# KiCad board FlightComputer.kicad_pcb (continued)
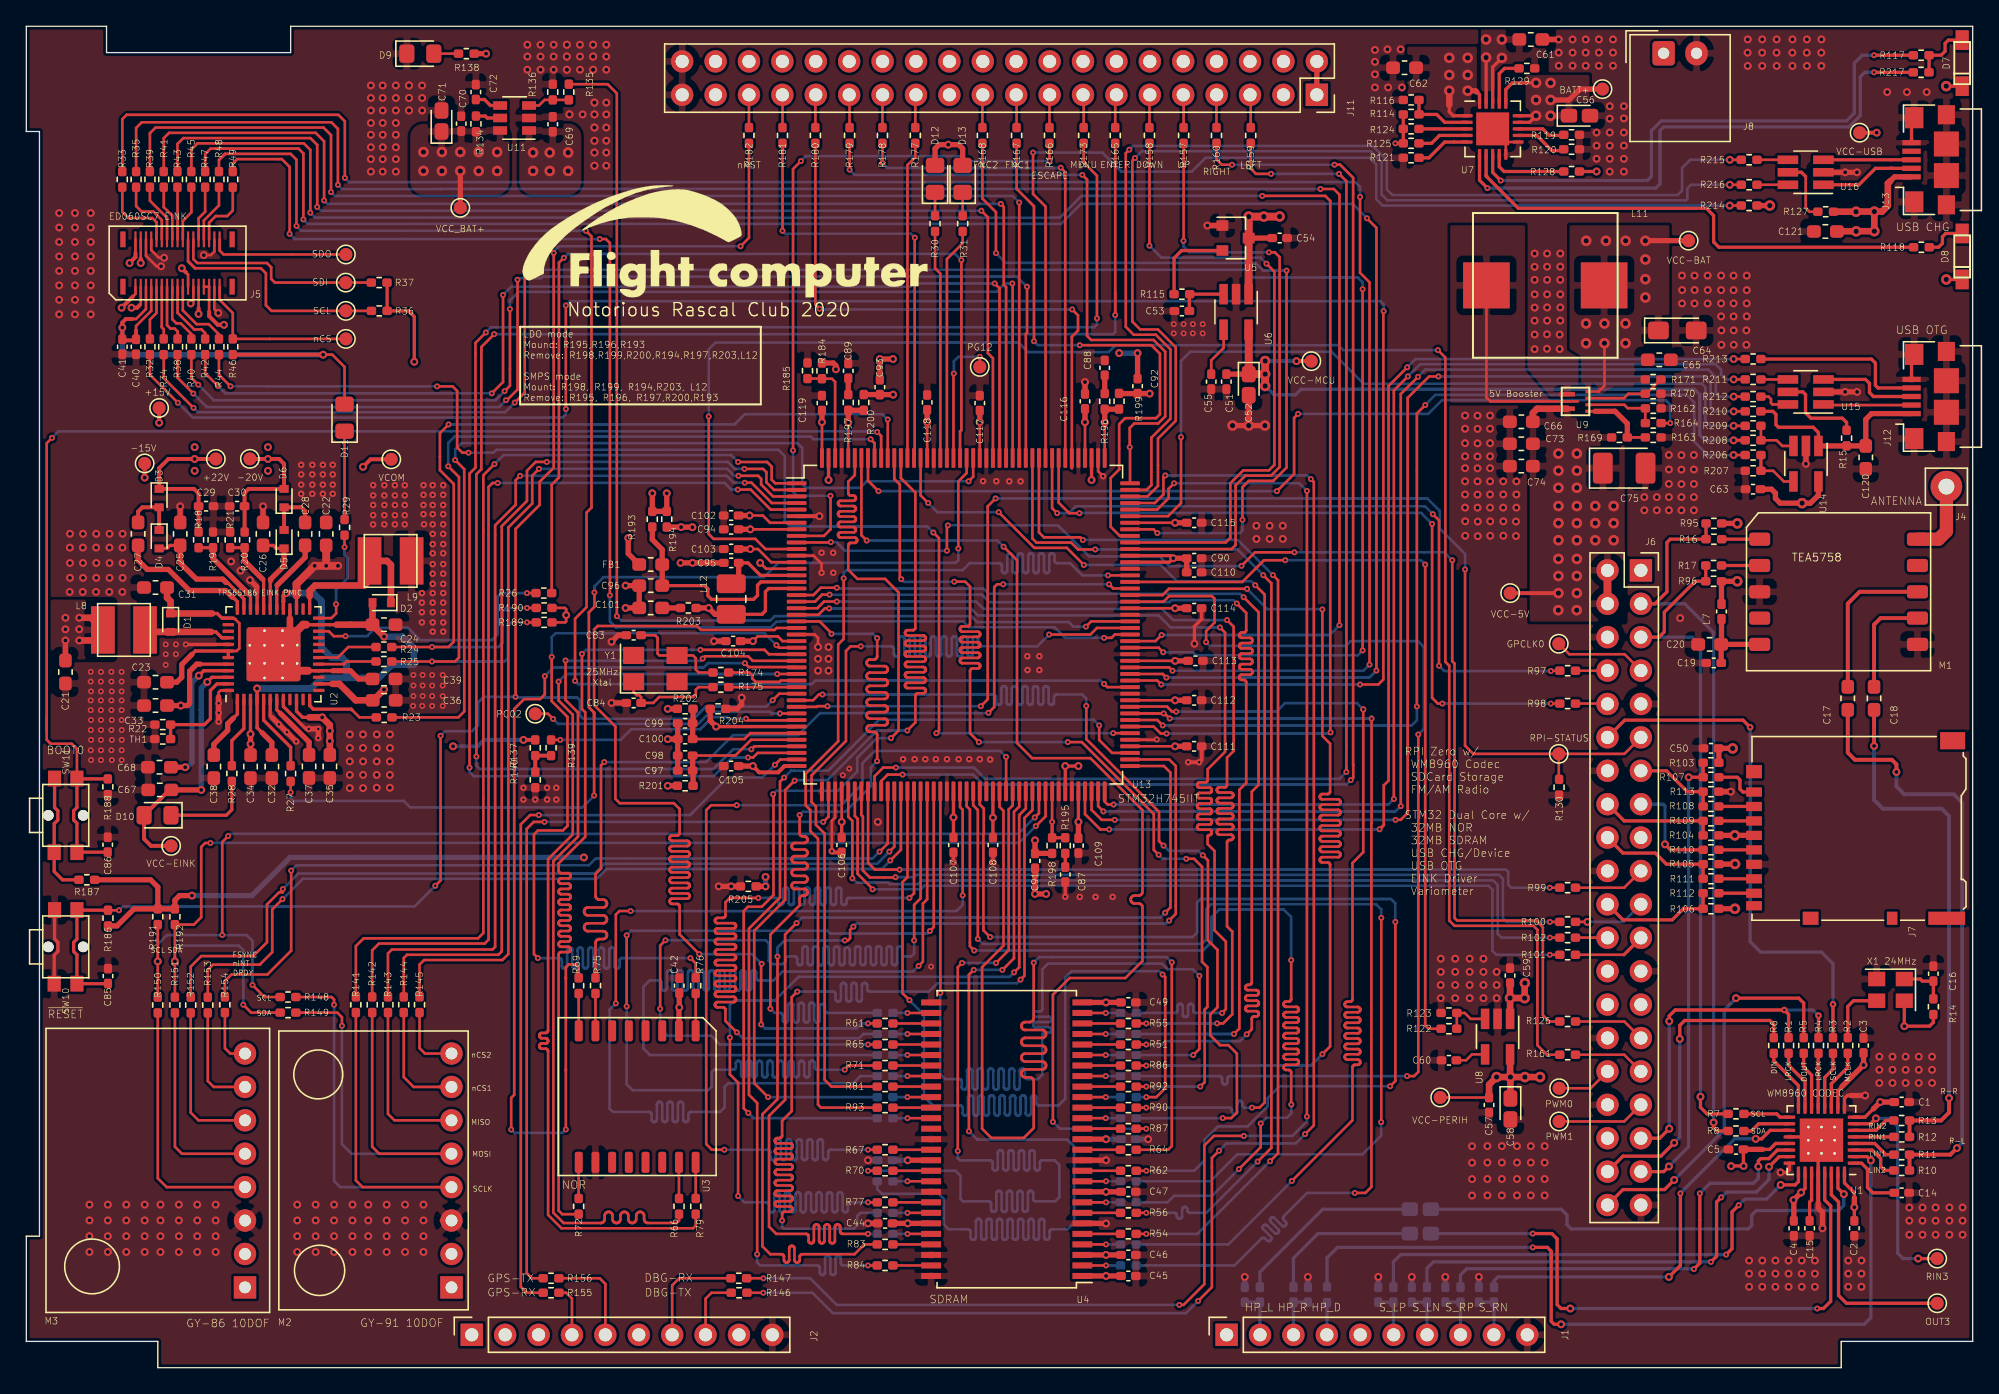
[diagram p0: board, top side]
## Routing (per net, layer and track width the routed paths; a pad name or vN(x,y) marks a point on that pad's centre or on a via; arc(x,y) is an arc through that point) (continued)
/MCU/FMC_D0: length 82.2
  Top w0.2: v1(101.02,13.29) 101.82,13.29 102.27,13.74 102.27,41.41 102.29,41.43 v1(102.29,49.36) ; v1(86.48,49.75) U13.97 86.56,49.75 v1(86.94,49.37)
  Bottom w0.2: R50.1 91.88,7.78 93.92,9.82 93.96,9.85 94,9.87 94.04,9.88 94.08,9.88 94.13,9.87 94.17,9.85 94.2,9.82 94.34,9.68 94.38,9.65 94.42,9.64 94.46,9.63 94.5,9.63 94.55,9.64 94.59,9.65 94.62,9.68 94.65,9.72 94.67,9.76 94.68,9.8 94.68,9.85 94.67,9.89 94.65,9.93 94.62,9.97 94.07,10.52 94.04,10.56 94.02,10.6 94.01,10.64 94.01,10.69 94.02,10.73 94.04,10.77 94.07,10.81 94.1,10.83 94.14,10.85 94.18,10.86 94.23,10.86 94.27,10.85 94.31,10.83 94.35,10.81 94.91,10.25 94.94,10.22 94.98,10.2 95.02,10.19 95.07,10.19 95.11,10.2 95.15,10.22 95.19,10.25 95.22,10.28 95.24,10.32 95.25,10.37 95.25,10.41 95.24,10.46 95.22,10.5 95.19,10.53 94.63,11.09 94.6,11.12 94.58,11.16 94.57,11.21 94.57,11.25 94.58,11.3 94.6,11.34 94.63,11.37 94.67,11.4 94.71,11.42 94.75,11.43 94.8,11.43 94.84,11.42 94.88,11.4 94.91,11.37 95.47,10.81 95.51,10.79 95.55,10.77 95.59,10.76 95.64,10.76 95.68,10.77 95.72,10.79 95.75,10.81 95.78,10.85 95.8,10.89 95.81,10.93 95.81,10.98 95.8,11.02 95.78,11.06 95.75,11.1 95.62,11.23 95.59,11.27 95.57,11.31 95.56,11.35 95.56,11.4 95.57,11.44 95.59,11.48 95.62,11.52 97.39,13.29 v1(101.02,13.29) ; v1(86.94,49.37) 102.28,49.37 v1(102.29,49.36) ; v1(86.48,49.75) 86.68,49.55
/MCU/FMC_D1: length 82.2
  Top w0.2: v1(96.22,14.2) 100.84,18.81 100.84,22.83 100.85,22.87 100.86,22.92 100.88,22.95 100.92,22.99 100.95,23.01 101,23.02 101.04,23.03 101.23,23.03 101.28,23.04 101.32,23.05 101.36,23.07 101.39,23.11 101.41,23.14 101.43,23.19 101.43,23.23 101.43,23.27 101.41,23.32 101.39,23.35 101.36,23.39 101.32,23.41 101.28,23.42 101.23,23.43 100.45,23.43 100.4,23.44 100.36,23.45 100.32,23.47 100.29,23.51 100.27,23.54 100.25,23.59 100.25,23.63 100.25,23.67 100.27,23.72 100.29,23.75 100.32,23.79 100.36,23.81 100.4,23.82 100.45,23.83 101.23,23.83 101.28,23.84 101.32,23.85 101.36,23.87 101.39,23.91 101.41,23.94 101.43,23.99 101.43,24.03 101.43,24.07 101.41,24.12 101.39,24.15 101.36,24.19 101.32,24.21 101.28,24.22 101.23,24.23 100.45,24.23 100.4,24.24 100.36,24.25 100.32,24.27 100.29,24.31 100.27,24.34 100.25,24.39 100.25,24.43 100.25,24.47 100.27,24.52 100.29,24.55 100.32,24.59 100.36,24.61 100.4,24.62 100.45,24.63 101.23,24.63 101.28,24.64 101.32,24.65 101.36,24.67 101.39,24.71 101.41,24.74 101.43,24.79 101.43,24.83 101.43,24.87 101.41,24.92 101.39,24.95 101.36,24.99 101.32,25.01 101.28,25.02 101.23,25.03 100.45,25.03 100.4,25.04 100.36,25.05 100.32,25.07 100.29,25.11 100.27,25.14 100.25,25.19 100.25,25.23 100.25,25.27 100.27,25.32 100.29,25.35 100.32,25.39 100.36,25.41 100.4,25.42 100.45,25.43 101.23,25.43 101.28,25.44 101.32,25.45 101.36,25.47 101.39,25.51 101.41,25.54 101.43,25.59 101.43,25.63 101.43,25.67 101.41,25.72 101.39,25.75 101.36,25.79 101.32,25.81 101.28,25.82 101.23,25.83 100.45,25.83 100.4,25.84 100.36,25.85 100.32,25.87 100.29,25.91 100.27,25.94 100.25,25.99 100.25,26.03 100.25,26.07 100.27,26.12 100.29,26.15 100.32,26.19 100.36,26.21 100.4,26.22 100.45,26.23 101.23,26.23 101.28,26.24 101.32,26.25 101.36,26.27 101.39,26.31 101.41,26.34 101.43,26.39 101.43,26.43 101.43,26.47 101.41,26.52 101.39,26.55 101.36,26.59 101.32,26.61 101.28,26.62 101.23,26.63 100.45,26.63 100.4,26.64 100.36,26.65 100.32,26.67 100.29,26.71 100.27,26.74 100.25,26.79 100.25,26.83 100.25,26.87 100.27,26.92 100.29,26.95 100.32,26.99 100.36,27.01 100.4,27.02 100.45,27.03 101.23,27.03 101.28,27.04 101.32,27.05 101.36,27.07 101.39,27.11 101.41,27.14 101.43,27.19 101.43,27.23 101.43,27.27 101.41,27.32 101.39,27.35 101.36,27.39 101.32,27.41 101.28,27.42 101.23,27.43 100.45,27.43 100.4,27.44 100.36,27.45 100.32,27.47 100.29,27.51 100.27,27.54 100.25,27.59 100.25,27.63 100.25,27.67 100.27,27.72 100.29,27.75 100.32,27.79 100.36,27.81 100.4,27.82 100.45,27.83 100.64,27.83 100.68,27.84 100.73,27.85 100.76,27.87 100.8,27.91 100.82,27.94 100.83,27.99 100.84,28.03 100.84,38.38 101.66,39.2 v1(101.66,50.06) ; v1(87.43,49.89) 87.12,49.89 86.74,50.28 83.95,50.28 U13.98
  Bottom w0.2: v1(101.66,50.06) 101.19,50.53 95.7,50.53 95.06,49.89 v1(87.43,49.89) ; v1(96.22,14.2) 91.4,9.38 R52.1
/MCU/FMC_D2: length 82.2
  Top w0.2: v1(94.58,15.7) 95.18,16.31 95.18,59.88 v1(94.8,60.27) ; R54.1 v1(85.16,10.17) ; v1(80.34,62.94) 80.14,63.14 77.38,63.14 77,63.52 U13.143
  Bottom w0.2: v1(94.8,60.27) 92.12,62.94 v1(80.34,62.94) ; v1(94.58,15.7) 89.05,10.17 v1(85.16,10.17)
/MCU/FMC_D3: length 82.2
  Top w0.2: v1(81.28,62.22) 79.97,62.22 79.45,62.74 76.82,62.74 76.5,63.06 U13.144 ; R56.1 v1(85.16,11.78) ; v1(94.06,60.26) 94.67,59.65 94.67,16.72 v1(93.62,15.67)
  Bottom w0.2: v1(81.28,62.22) 92.1,62.22 v1(94.06,60.26) ; v1(85.16,11.78) 87.28,11.78 87.33,11.77 87.37,11.76 87.41,11.73 87.44,11.7 87.47,11.66 87.48,11.62 87.48,11.58 87.48,11.52 87.49,11.48 87.5,11.44 87.53,11.4 87.56,11.37 87.6,11.34 87.64,11.33 87.69,11.32 87.73,11.33 87.77,11.34 87.81,11.37 87.84,11.4 87.87,11.44 87.88,11.48 87.89,11.52 87.89,12.03 87.89,12.07 87.9,12.11 87.93,12.15 87.96,12.18 88,12.21 88.04,12.22 88.08,12.23 88.13,12.22 88.17,12.21 88.21,12.18 88.24,12.15 88.27,12.11 88.28,12.07 88.28,12.03 88.28,11.97 88.29,11.93 88.3,11.89 88.33,11.85 88.36,11.82 88.4,11.79 88.44,11.78 88.48,11.78 89.72,11.78 v1(93.62,15.67)
/MCU/FMC_D4: length 82.2
  Top w0.2: v1(96.18,30.99) 96.18,28.04 96.17,28 96.16,27.95 96.14,27.92 96.1,27.88 96.07,27.86 96.02,27.85 95.98,27.84 95.8,27.84 95.76,27.83 95.72,27.82 95.68,27.8 95.65,27.76 95.62,27.73 95.61,27.68 95.6,27.64 95.61,27.6 95.62,27.55 95.65,27.52 95.68,27.48 95.72,27.46 95.76,27.45 95.8,27.44 96.56,27.44 96.6,27.43 96.64,27.42 96.68,27.4 96.71,27.36 96.74,27.33 96.75,27.28 96.76,27.24 96.75,27.2 96.74,27.15 96.71,27.12 96.68,27.08 96.64,27.06 96.6,27.05 96.56,27.04 95.8,27.04 95.76,27.03 95.72,27.02 95.68,27 95.65,26.96 95.62,26.93 95.61,26.88 95.6,26.84 95.61,26.8 95.62,26.75 95.65,26.72 95.68,26.68 95.72,26.66 95.76,26.65 95.8,26.64 96.56,26.64 96.6,26.63 96.64,26.62 96.68,26.6 96.71,26.56 96.74,26.53 96.75,26.48 96.76,26.44 96.75,26.4 96.74,26.35 96.71,26.32 96.68,26.28 96.64,26.26 96.6,26.25 96.56,26.24 95.8,26.24 95.76,26.23 95.72,26.22 95.68,26.2 95.65,26.16 95.62,26.13 95.61,26.08 95.6,26.04 95.61,26 95.62,25.95 95.65,25.92 95.68,25.88 95.72,25.86 95.76,25.85 95.8,25.84 96.56,25.84 96.6,25.83 96.64,25.82 96.68,25.8 96.71,25.76 96.74,25.73 96.75,25.68 96.76,25.64 96.75,25.6 96.74,25.55 96.71,25.52 96.68,25.48 96.64,25.46 96.6,25.45 96.56,25.44 95.8,25.44 95.76,25.43 95.72,25.42 95.68,25.4 95.65,25.36 95.62,25.33 95.61,25.28 95.6,25.24 95.61,25.2 95.62,25.15 95.65,25.12 95.68,25.08 95.72,25.06 95.76,25.05 95.8,25.04 96.56,25.04 96.6,25.03 96.64,25.02 96.68,25 96.71,24.96 96.74,24.93 96.75,24.88 96.76,24.84 96.75,24.8 96.74,24.75 96.71,24.72 96.68,24.68 96.64,24.66 96.6,24.65 96.56,24.64 95.8,24.64 95.76,24.63 95.72,24.62 95.68,24.6 95.65,24.56 95.62,24.53 95.61,24.48 95.6,24.44 95.61,24.4 95.62,24.35 95.65,24.32 95.68,24.28 95.72,24.26 95.76,24.25 95.8,24.24 96.56,24.24 96.6,24.23 96.64,24.22 96.68,24.2 96.71,24.16 96.74,24.13 96.75,24.08 96.76,24.04 96.75,24 96.74,23.95 96.71,23.92 96.68,23.88 96.64,23.86 96.6,23.85 96.56,23.84 95.8,23.84 95.76,23.83 95.72,23.82 95.68,23.8 95.65,23.76 95.62,23.73 95.61,23.68 95.6,23.64 95.61,23.6 95.62,23.55 95.65,23.52 95.68,23.48 95.72,23.46 95.76,23.45 95.8,23.44 96.56,23.44 96.6,23.43 96.64,23.42 96.68,23.4 96.71,23.36 96.74,23.33 96.75,23.28 96.76,23.24 96.75,23.2 96.74,23.15 96.71,23.12 96.68,23.08 96.64,23.06 96.6,23.05 96.56,23.04 95.8,23.04 95.76,23.03 95.72,23.02 95.68,23 95.65,22.96 95.62,22.93 95.61,22.88 95.6,22.84 95.61,22.8 95.62,22.75 95.65,22.72 95.68,22.68 95.72,22.66 95.76,22.65 95.8,22.64 95.98,22.64 96.02,22.63 96.07,22.62 96.1,22.6 96.14,22.56 96.16,22.53 96.17,22.48 96.18,22.44 96.18,20.02 v1(96.19,20.01) ; v1(93.86,18.57) 93.86,16.76 v1(92.2,15.1) ; U13.67 71.5,42.69 71.75,42.44 71.75,32.05 v1(72.08,31.72)
  Bottom w0.2: v1(96.19,20.01) 96.19,19.34 95.86,19.01 94.3,19.01 v1(93.86,18.57) ; v1(96.18,30.99) 96.18,34.28 95.62,34.84 90.7,34.84 90.12,34.26 90.12,32.37 89.47,31.72 v1(72.08,31.72) ; R58.1 86.78,12.58 87.28,13.08 90.17,13.08 v1(92.2,15.1)
/MCU/FMC_D5: length 82.2
  Top w0.2: v1(72.35,32.6) 72.35,42.41 72,42.76 U13.68 ; v1(103.03,34.21) 103.03,18.68 v1(103.02,18.67) 103.03,18.68
  Bottom w0.2: v1(103.02,18.67) 103.02,17.65 101.6,16.23 92.09,16.23 90.03,14.17 R60.1 ; v1(72.35,32.6) 72.73,32.22 89.37,32.22 89.72,32.57 89.72,34.88 90.08,35.24 102.64,35.24 103.03,34.85 v1(103.03,34.21)
/MCU/FMC_D6: length 82.2
  Top w0.2: v1(73.28,32.75) 72.78,33.26 72.78,40.55 72.8,40.58 72.8,42.53 72.5,42.83 U13.69 ; R62.1 v1(85.16,14.97) ; v1(103.7,21.4) 104.1,21.8 v1(104.1,33.9)
  Bottom w0.2: v1(103.7,21.4) 95.29,21.4 94.39,20.5 94.39,19.88 92.86,18.35 90.61,18.35 89.57,17.31 89.57,15.74 88.81,14.97 v1(85.16,14.97) ; v1(104.1,33.9) 104.1,35.31 103.77,35.64 89.29,35.64 89.03,35.38 89.03,33.08 88.7,32.75 v1(73.28,32.75)
/MCU/FMC_D7: length 82.2
  Top w0.2: v1(87.1,30.83) 87.1,16.85 86.83,16.58 R64.1 ; v1(76.6,30.8) 76.6,26.58 76.59,26.51 76.57,26.45 76.53,26.39 76.49,26.35 76.43,26.31 76.37,26.29 76.3,26.28 75.96,26.28 75.89,26.27 75.83,26.25 75.77,26.21 75.73,26.17 75.69,26.11 75.67,26.05 75.66,25.98 75.67,25.91 75.69,25.85 75.73,25.79 75.77,25.75 75.83,25.71 75.89,25.69 75.96,25.68 77.24,25.68 77.31,25.67 77.37,25.65 77.43,25.61 77.47,25.57 77.51,25.51 77.53,25.45 77.54,25.38 77.53,25.31 77.51,25.25 77.47,25.19 77.43,25.15 77.37,25.11 77.31,25.09 77.24,25.08 75.96,25.08 75.89,25.07 75.83,25.05 75.77,25.01 75.73,24.97 75.69,24.91 75.67,24.85 75.66,24.78 75.67,24.71 75.69,24.65 75.73,24.59 75.77,24.55 75.83,24.51 75.89,24.49 75.96,24.48 77.24,24.48 77.31,24.47 77.37,24.45 77.43,24.41 77.47,24.37 77.51,24.31 77.53,24.25 77.54,24.18 77.53,24.11 77.51,24.05 77.47,23.99 77.43,23.95 77.37,23.91 77.31,23.89 77.24,23.88 75.96,23.88 75.89,23.87 75.83,23.85 75.77,23.81 75.73,23.77 75.69,23.71 75.67,23.65 75.66,23.58 75.67,23.51 75.69,23.45 75.73,23.39 75.77,23.35 75.83,23.31 75.89,23.29 75.96,23.28 77.24,23.28 77.31,23.27 77.37,23.25 77.43,23.21 77.47,23.17 77.51,23.11 77.53,23.05 77.54,22.98 77.53,22.91 77.51,22.85 77.47,22.79 77.43,22.75 77.37,22.71 77.31,22.69 77.24,22.68 75.96,22.68 75.89,22.67 75.83,22.65 75.77,22.61 75.73,22.57 75.69,22.51 75.67,22.45 75.66,22.38 75.67,22.31 75.69,22.25 75.73,22.19 75.77,22.15 75.83,22.11 75.89,22.09 75.96,22.08 76.3,22.08 76.37,22.07 76.43,22.05 76.49,22.01 76.53,21.97 76.57,21.91 76.59,21.85 76.6,21.78 76.6,18.22 75.85,17.47 73.37,17.47 72.67,18.17 72.67,30.47 74.3,32.09 74.3,42.35 74,42.65 U13.72
  Bottom w0.2: v1(76.6,30.8) 77.03,31.22 86.7,31.22 v1(87.1,30.83)
/MCU/FMC_D8: length 82.2
  Top w0.2: R67.1 v1(64,16.58) ; v1(53.08,16.58) 52.12,16.58 51.7,17 51.7,42.4 52.07,42.77 v1(54.02,42.77) ; U13.73 v1(74.5,46.45)
  Bottom w0.2: v1(53.08,16.58) 56.38,16.58 56.42,16.57 56.46,16.56 56.5,16.53 56.53,16.5 56.56,16.46 56.57,16.42 56.58,16.38 56.58,15.99 56.58,15.94 56.59,15.9 56.62,15.86 56.65,15.83 56.69,15.81 56.73,15.79 56.77,15.79 56.82,15.79 56.86,15.81 56.9,15.83 56.93,15.86 56.96,15.9 56.97,15.94 56.98,15.99 56.98,17.16 56.98,17.21 56.99,17.25 57.02,17.29 57.05,17.32 57.09,17.34 57.13,17.36 57.17,17.36 57.22,17.36 57.26,17.34 57.3,17.32 57.33,17.29 57.36,17.25 57.37,17.21 57.38,17.16 57.38,15.99 57.38,15.94 57.39,15.9 57.42,15.86 57.45,15.83 57.49,15.81 57.53,15.79 57.58,15.79 57.62,15.79 57.66,15.81 57.7,15.83 57.73,15.86 57.76,15.9 57.77,15.94 57.77,15.99 57.77,17.16 57.78,17.21 57.79,17.25 57.82,17.29 57.85,17.32 57.89,17.34 57.93,17.36 57.98,17.36 58.02,17.36 58.06,17.34 58.1,17.32 58.13,17.29 58.16,17.25 58.17,17.21 58.17,17.16 58.17,15.99 58.18,15.94 58.19,15.9 58.22,15.86 58.25,15.83 58.29,15.81 58.33,15.79 58.38,15.79 58.42,15.79 58.46,15.81 58.5,15.83 58.53,15.86 58.56,15.9 58.57,15.94 58.58,15.99 58.58,17.16 58.58,17.21 58.59,17.25 58.62,17.29 58.65,17.32 58.69,17.34 58.73,17.36 58.77,17.36 58.82,17.36 58.86,17.34 58.9,17.32 58.93,17.29 58.96,17.25 58.97,17.21 58.98,17.16 58.98,15.99 58.98,15.94 58.99,15.9 59.02,15.86 59.05,15.83 59.09,15.81 59.13,15.79 59.17,15.79 59.22,15.79 59.26,15.81 59.3,15.83 59.33,15.86 59.36,15.9 59.37,15.94 59.38,15.99 59.38,17.16 59.38,17.21 59.39,17.25 59.42,17.29 59.45,17.32 59.49,17.34 59.53,17.36 59.58,17.36 59.62,17.36 59.66,17.34 59.7,17.32 59.73,17.29 59.76,17.25 59.77,17.21 59.77,17.16 59.77,15.99 59.78,15.94 59.79,15.9 59.82,15.86 59.85,15.83 59.89,15.81 59.93,15.79 59.98,15.79 60.02,15.79 60.06,15.81 60.1,15.83 60.13,15.86 60.16,15.9 60.17,15.94 60.17,15.99 60.17,17.16 60.18,17.21 60.19,17.25 60.22,17.29 60.25,17.32 60.29,17.34 60.33,17.36 60.38,17.36 60.42,17.36 60.46,17.34 60.5,17.32 60.53,17.29 60.56,17.25 60.57,17.21 60.58,17.16 60.58,15.99 60.58,15.94 60.59,15.9 60.62,15.86 60.65,15.83 60.69,15.81 60.73,15.79 60.77,15.79 60.82,15.79 60.86,15.81 60.9,15.83 60.93,15.86 60.96,15.9 60.97,15.94 60.98,15.99 60.98,16.38 60.98,16.42 60.99,16.46 61.02,16.5 61.05,16.53 61.09,16.56 61.13,16.57 61.17,16.58 v1(64,16.58) ; v1(54.02,42.77) 61.97,42.77 63.58,44.38 63.58,45.97 64.51,46.9 74.05,46.9 v1(74.5,46.45)
/MCU/FMC_D9: length 82.2
  Top w0.2: U13.74 75,42.75 74.7,42.45 74.7,31.75 v1(73.73,30.78) ; v1(64,14.97) R70.1 ; v1(70.83,16.47) 70.83,30.45 v1(71.15,30.78)
  Bottom w0.2: v1(71.15,30.78) 73.73,30.78 v1(73.73,30.78) ; v1(70.83,16.47) 70.83,15.94 70.99,15.77 73.27,15.77 73.32,15.76 73.36,15.75 73.4,15.72 73.43,15.69 73.45,15.65 73.47,15.61 73.47,15.57 73.47,15.2 73.48,15.15 73.49,15.11 73.52,15.07 73.55,15.04 73.59,15.02 73.63,15 73.67,15 73.72,15 73.76,15.02 73.8,15.04 73.83,15.07 73.85,15.11 73.87,15.15 73.87,15.2 73.87,16.34 73.88,16.38 73.89,16.42 73.92,16.46 73.95,16.49 73.99,16.52 74.03,16.53 74.07,16.54 74.12,16.53 74.16,16.52 74.2,16.49 74.23,16.46 74.25,16.42 74.27,16.38 74.27,16.34 74.27,15.2 74.28,15.15 74.29,15.11 74.32,15.07 74.35,15.04 74.39,15.02 74.43,15 74.47,15 74.52,15 74.56,15.02 74.6,15.04 74.63,15.07 74.65,15.11 74.67,15.15 74.67,15.2 74.67,16.34 74.68,16.38 74.69,16.42 74.72,16.46 74.75,16.49 74.79,16.52 74.83,16.53 74.87,16.54 74.92,16.53 74.96,16.52 75,16.49 75.03,16.46 75.05,16.42 75.07,16.38 75.07,16.34 75.07,15.2 75.08,15.15 75.09,15.11 75.12,15.07 75.15,15.04 75.19,15.02 75.23,15 75.27,15 75.32,15 75.36,15.02 75.4,15.04 75.43,15.07 75.45,15.11 75.47,15.15 75.47,15.2 75.47,16.34 75.48,16.38 75.49,16.42 75.52,16.46 75.55,16.49 75.59,16.52 75.63,16.53 75.67,16.54 75.72,16.53 75.76,16.52 75.8,16.49 75.83,16.46 75.85,16.42 75.87,16.38 75.87,16.34 75.87,15.2 75.88,15.15 75.89,15.11 75.92,15.07 75.95,15.04 75.99,15.02 76.03,15 76.07,15 76.12,15 76.16,15.02 76.2,15.04 76.23,15.07 76.25,15.11 76.27,15.15 76.27,15.2 76.27,16.34 76.28,16.38 76.29,16.42 76.32,16.46 76.35,16.49 76.39,16.52 76.43,16.53 76.47,16.54 76.52,16.53 76.56,16.52 76.6,16.49 76.63,16.46 76.65,16.42 76.67,16.38 76.67,16.34 76.67,15.2 76.68,15.15 76.69,15.11 76.72,15.07 76.75,15.04 76.79,15.02 76.83,15 76.87,15 76.92,15 76.96,15.02 77,15.04 77.03,15.07 77.05,15.11 77.07,15.15 77.07,15.2 77.07,15.57 77.08,15.61 77.09,15.65 77.12,15.69 77.15,15.72 77.19,15.75 77.23,15.76 77.27,15.77 78.2,15.77 78.55,15.42 78.55,12.96 78.24,12.65 76.76,12.65 76.72,12.66 76.67,12.67 76.64,12.69 76.6,12.73 76.58,12.76 76.57,12.81 76.56,12.85 76.56,13.25 76.55,13.29 76.54,13.34 76.52,13.37 76.48,13.41 76.45,13.43 76.4,13.44 76.36,13.45 76.32,13.44 76.27,13.43 76.24,13.41 76.2,13.37 76.18,13.34 76.17,13.29 76.16,13.25 76.16,12.05 76.15,12.01 76.14,11.96 76.12,11.93 76.08,11.89 76.05,11.87 76,11.86 75.96,11.85 75.92,11.86 75.87,11.87 75.84,11.89 75.8,11.93 75.78,11.96 75.77,12.01 75.76,12.05 75.76,13.25 75.75,13.29 75.74,13.34 75.72,13.37 75.68,13.41 75.65,13.43 75.6,13.44 75.56,13.45 75.52,13.44 75.47,13.43 75.44,13.41 75.4,13.37 75.38,13.34 75.37,13.29 75.36,13.25 75.36,12.05 75.35,12.01 75.34,11.96 75.32,11.93 75.28,11.89 75.25,11.87 75.2,11.86 75.16,11.85 75.12,11.86 75.07,11.87 75.04,11.89 75,11.93 74.98,11.96 74.97,12.01 74.96,12.05 74.96,13.25 74.95,13.29 74.94,13.34 74.92,13.37 74.88,13.41 74.85,13.43 74.8,13.44 74.76,13.45 74.72,13.44 74.67,13.43 74.64,13.41 74.6,13.37 74.58,13.34 74.57,13.29 74.56,13.25 74.56,12.05 74.55,12.01 74.54,11.96 74.52,11.93 74.48,11.89 74.45,11.87 74.4,11.86 74.36,11.85 74.32,11.86 74.27,11.87 74.24,11.89 74.2,11.93 74.18,11.96 74.17,12.01 74.16,12.05 74.16,13.25 74.15,13.29 74.14,13.34 74.12,13.37 74.08,13.41 74.05,13.43 74,13.44 73.96,13.45 73.92,13.44 73.87,13.43 73.84,13.41 73.8,13.37 73.78,13.34 73.77,13.29 73.76,13.25 73.76,12.05 73.75,12.01 73.74,11.96 73.72,11.93 73.68,11.89 73.65,11.87 73.6,11.86 73.56,11.85 73.52,11.86 73.47,11.87 73.44,11.89 73.4,11.93 73.38,11.96 73.37,12.01 73.36,12.05 73.36,12.45 73.35,12.49 73.34,12.54 73.32,12.57 73.28,12.61 73.25,12.63 73.2,12.64 73.16,12.65 71.22,12.65 71.03,12.84 71.03,14.59 70.65,14.97 v1(64,14.97)
/MCU/FMC_D10: length 82.2
  Top w0.2: v1(72.04,30.25) 71.67,29.89 v1(71.67,17.97) ; v1(74.22,30.25) 75.1,31.13 75.1,42.27 75.5,42.67 U13.75
  Bottom w0.2: v1(72.04,30.25) v1(74.22,30.25) ; R73.1 64.7,13.57 65.05,13.22 69.38,13.22 69.78,12.83 69.78,10.88 70.12,10.53 71.61,10.53 71.65,10.52 71.69,10.51 71.73,10.48 71.76,10.45 71.79,10.41 71.8,10.37 71.81,10.33 71.81,9.93 71.81,9.89 71.82,9.84 71.85,9.81 71.88,9.77 71.92,9.75 71.96,9.74 72,9.73 72.05,9.74 72.09,9.75 72.13,9.77 72.16,9.81 72.19,9.84 72.2,9.89 72.2,9.93 72.2,11.12 72.21,11.16 72.22,11.21 72.25,11.24 72.28,11.28 72.32,11.3 72.36,11.31 72.41,11.32 72.45,11.31 72.49,11.3 72.53,11.28 72.56,11.24 72.59,11.21 72.6,11.16 72.61,11.12 72.61,9.93 72.61,9.89 72.62,9.84 72.65,9.81 72.68,9.77 72.72,9.75 72.76,9.74 72.81,9.73 72.85,9.74 72.89,9.75 72.93,9.77 72.96,9.81 72.99,9.84 73,9.89 73,9.93 73,11.12 73.01,11.16 73.02,11.21 73.05,11.24 73.08,11.28 73.12,11.3 73.16,11.31 73.2,11.32 73.25,11.31 73.29,11.3 73.33,11.28 73.36,11.24 73.39,11.21 73.4,11.16 73.41,11.12 73.41,9.93 73.41,9.89 73.42,9.84 73.45,9.81 73.48,9.77 73.52,9.75 73.56,9.74 73.61,9.73 73.65,9.74 73.69,9.75 73.73,9.77 73.76,9.81 73.79,9.84 73.8,9.89 73.81,9.93 73.81,11.12 73.81,11.16 73.82,11.21 73.85,11.24 73.88,11.28 73.92,11.3 73.96,11.31 74,11.32 74.05,11.31 74.09,11.3 74.13,11.28 74.16,11.24 74.19,11.21 74.2,11.16 74.2,11.12 74.2,9.93 74.21,9.89 74.22,9.84 74.25,9.81 74.28,9.77 74.32,9.75 74.36,9.74 74.41,9.73 74.45,9.74 74.49,9.75 74.53,9.77 74.56,9.81 74.59,9.84 74.6,9.89 74.61,9.93 74.61,11.12 74.61,11.16 74.62,11.21 74.65,11.24 74.68,11.28 74.72,11.3 74.76,11.31 74.81,11.32 74.85,11.31 74.89,11.3 74.93,11.28 74.96,11.24 74.99,11.21 75,11.16 75,11.12 75,9.93 75.01,9.89 75.02,9.84 75.05,9.81 75.08,9.77 75.12,9.75 75.16,9.74 75.2,9.73 75.25,9.74 75.29,9.75 75.33,9.77 75.36,9.81 75.39,9.84 75.4,9.89 75.41,9.93 75.41,11.12 75.41,11.16 75.42,11.21 75.45,11.24 75.48,11.28 75.52,11.3 75.56,11.31 75.61,11.32 75.65,11.31 75.69,11.3 75.73,11.28 75.76,11.24 75.79,11.21 75.8,11.16 75.81,11.12 75.81,9.93 75.81,9.89 75.82,9.84 75.85,9.81 75.88,9.77 75.92,9.75 75.96,9.74 76,9.73 76.05,9.74 76.09,9.75 76.13,9.77 76.16,9.81 76.19,9.84 76.2,9.89 76.2,9.93 76.2,11.12 76.21,11.16 76.22,11.21 76.25,11.24 76.28,11.28 76.32,11.3 76.36,11.31 76.41,11.32 76.45,11.31 76.49,11.3 76.53,11.28 76.56,11.24 76.59,11.21 76.6,11.16 76.61,11.12 76.61,9.93 76.61,9.89 76.62,9.84 76.65,9.81 76.68,9.77 76.72,9.75 76.76,9.74 76.81,9.73 76.85,9.74 76.89,9.75 76.93,9.77 76.96,9.81 76.99,9.84 77,9.89 77,9.93 77,11.12 77.01,11.16 77.02,11.21 77.05,11.24 77.08,11.28 77.12,11.3 77.16,11.31 77.2,11.32 77.25,11.31 77.29,11.3 77.33,11.28 77.36,11.24 77.39,11.21 77.4,11.16 77.41,11.12 77.41,9.93 77.41,9.89 77.42,9.84 77.45,9.81 77.48,9.77 77.52,9.75 77.56,9.74 77.61,9.73 77.65,9.74 77.69,9.75 77.73,9.77 77.76,9.81 77.79,9.84 77.8,9.89 77.81,9.93 77.81,10.33 77.81,10.37 77.82,10.41 77.85,10.45 77.88,10.48 77.92,10.51 77.96,10.52 78,10.53 79.17,10.53 79.67,11.03 79.67,16.83 79.15,17.35 72.3,17.35 v1(71.67,17.97)
/MCU/FMC_D11: length 82.2
  Top w0.2: v1(75.11,30.06) 75.5,30.45 75.5,42.03 76,42.53 U13.76 ; R77.1 v1(64,12.58) ; v1(53.5,25.1) 53.5,22.3 54.12,21.67 v1(54.12,13.05)
  Bottom w0.2: v1(75.11,30.06) 74.77,29.72 58.72,29.72 56.93,27.93 53.85,27.93 53.5,27.58 v1(53.5,25.1) ; v1(54.12,13.05) 54.6,12.58 56.27,12.58 56.32,12.57 56.36,12.56 56.4,12.53 56.43,12.5 56.46,12.46 56.47,12.42 56.48,12.38 56.48,12.02 56.48,11.97 56.49,11.93 56.52,11.89 56.55,11.86 56.59,11.84 56.63,11.82 56.67,11.82 56.72,11.82 56.76,11.84 56.8,11.86 56.83,11.89 56.86,11.93 56.87,11.97 56.88,12.02 56.88,13.13 56.88,13.18 56.89,13.22 56.92,13.26 56.95,13.29 56.99,13.31 57.03,13.33 57.08,13.33 57.12,13.33 57.16,13.31 57.2,13.29 57.23,13.26 57.26,13.22 57.27,13.18 57.27,13.13 57.27,12.02 57.28,11.97 57.29,11.93 57.32,11.89 57.35,11.86 57.39,11.84 57.43,11.82 57.48,11.82 57.52,11.82 57.56,11.84 57.6,11.86 57.63,11.89 57.66,11.93 57.67,11.97 57.67,12.02 57.67,13.13 57.68,13.18 57.69,13.22 57.72,13.26 57.75,13.29 57.79,13.31 57.83,13.33 57.88,13.33 57.92,13.33 57.96,13.31 58,13.29 58.03,13.26 58.06,13.22 58.07,13.18 58.08,13.13 58.08,12.02 58.08,11.97 58.09,11.93 58.12,11.89 58.15,11.86 58.19,11.84 58.23,11.82 58.27,11.82 58.32,11.82 58.36,11.84 58.4,11.86 58.43,11.89 58.46,11.93 58.47,11.97 58.48,12.02 58.48,13.13 58.48,13.18 58.49,13.22 58.52,13.26 58.55,13.29 58.59,13.31 58.63,13.33 58.67,13.33 58.72,13.33 58.76,13.31 58.8,13.29 58.83,13.26 58.86,13.22 58.87,13.18 58.88,13.13 58.88,12.02 58.88,11.97 58.89,11.93 58.92,11.89 58.95,11.86 58.99,11.84 59.03,11.82 59.08,11.82 59.12,11.82 59.16,11.84 59.2,11.86 59.23,11.89 59.26,11.93 59.27,11.97 59.27,12.02 59.27,13.13 59.28,13.18 59.29,13.22 59.32,13.26 59.35,13.29 59.39,13.31 59.43,13.33 59.48,13.33 59.52,13.33 59.56,13.31 59.6,13.29 59.63,13.26 59.66,13.22 59.67,13.18 59.67,13.13 59.67,12.02 59.68,11.97 59.69,11.93 59.72,11.89 59.75,11.86 59.79,11.84 59.83,11.82 59.88,11.82 59.92,11.82 59.96,11.84 60,11.86 60.03,11.89 60.06,11.93 60.07,11.97 60.08,12.02 60.08,13.13 60.08,13.18 60.09,13.22 60.12,13.26 60.15,13.29 60.19,13.31 60.23,13.33 60.27,13.33 60.32,13.33 60.36,13.31 60.4,13.29 60.43,13.26 60.46,13.22 60.47,13.18 60.48,13.13 60.48,12.02 60.48,11.97 60.49,11.93 60.52,11.89 60.55,11.86 60.59,11.84 60.63,11.82 60.67,11.82 60.72,11.82 60.76,11.84 60.8,11.86 60.83,11.89 60.86,11.93 60.87,11.97 60.88,12.02 60.88,13.13 60.88,13.18 60.89,13.22 60.92,13.26 60.95,13.29 60.99,13.31 61.03,13.33 61.08,13.33 61.12,13.33 61.16,13.31 61.2,13.29 61.23,13.26 61.26,13.22 61.27,13.18 61.27,13.13 61.27,12.02 61.28,11.97 61.29,11.93 61.32,11.89 61.35,11.86 61.39,11.84 61.43,11.82 61.48,11.82 61.52,11.82 61.56,11.84 61.6,11.86 61.63,11.89 61.66,11.93 61.67,11.97 61.67,12.02 61.67,13.13 61.68,13.18 61.69,13.22 61.72,13.26 61.75,13.29 61.79,13.31 61.83,13.33 61.88,13.33 61.92,13.33 61.96,13.31 62,13.29 62.03,13.26 62.06,13.22 62.07,13.18 62.08,13.13 62.08,12.02 62.08,11.97 62.09,11.93 62.12,11.89 62.15,11.86 62.19,11.84 62.23,11.82 62.27,11.82 62.32,11.82 62.36,11.84 62.4,11.86 62.43,11.89 62.46,11.93 62.47,11.97 62.48,12.02 62.48,12.38 62.48,12.42 62.49,12.46 62.52,12.5 62.55,12.53 62.59,12.56 62.63,12.57 62.67,12.58 v1(64,12.58)
/MCU/FMC_D12: length 82.2
  Top w0.2: v1(75.6,29.51) 75.9,29.81 75.9,41.8 76.5,42.4 U13.77 ; v1(58.62,28.6) 58.2,28.17 58.2,19.51 57.47,18.78 57.47,17.66 57.46,17.62 57.45,17.57 57.43,17.54 57.39,17.5 57.36,17.48 57.31,17.47 57.27,17.46 57.12,17.46 57.08,17.45 57.03,17.44 57,17.42 56.96,17.38 56.94,17.35 56.93,17.3 56.92,17.26 56.93,17.22 56.94,17.17 56.96,17.14 57,17.1 57.03,17.08 57.08,17.07 57.12,17.06 58.07,17.06 58.11,17.05 58.16,17.04 58.19,17.02 58.23,16.98 58.25,16.95 58.26,16.9 58.27,16.86 58.26,16.82 58.25,16.77 58.23,16.74 58.19,16.7 58.16,16.68 58.11,16.67 58.07,16.66 57.12,16.66 57.08,16.65 57.03,16.64 57,16.62 56.96,16.58 56.94,16.55 56.93,16.5 56.92,16.46 56.93,16.42 56.94,16.37 56.96,16.34 57,16.3 57.03,16.28 57.08,16.27 57.12,16.26 58.07,16.26 58.11,16.25 58.16,16.24 58.19,16.22 58.23,16.18 58.25,16.15 58.26,16.1 58.27,16.06 58.26,16.02 58.25,15.97 58.23,15.94 58.19,15.9 58.16,15.88 58.11,15.87 58.07,15.86 57.12,15.86 57.08,15.85 57.03,15.84 57,15.82 56.96,15.78 56.94,15.75 56.93,15.7 56.92,15.66 56.93,15.62 56.94,15.57 56.96,15.54 57,15.5 57.03,15.48 57.08,15.47 57.12,15.46 58.07,15.46 58.11,15.45 58.16,15.44 58.19,15.42 58.23,15.38 58.25,15.35 58.26,15.3 58.27,15.26 58.26,15.22 58.25,15.17 58.23,15.14 58.19,15.1 58.16,15.08 58.11,15.07 58.07,15.06 57.12,15.06 57.08,15.05 57.03,15.04 57,15.02 56.96,14.98 56.94,14.95 56.93,14.9 56.92,14.86 56.93,14.82 56.94,14.77 56.96,14.74 57,14.7 57.03,14.68 57.08,14.67 57.12,14.66 58.07,14.66 58.11,14.65 58.16,14.64 58.19,14.62 58.23,14.58 58.25,14.55 58.26,14.5 58.27,14.46 58.26,14.42 58.25,14.37 58.23,14.34 58.19,14.3 58.16,14.28 58.11,14.27 58.07,14.26 57.12,14.26 57.08,14.25 57.03,14.24 57,14.22 56.96,14.18 56.94,14.15 56.93,14.1 56.92,14.06 56.93,14.02 56.94,13.97 56.96,13.94 57,13.9 57.03,13.88 57.08,13.87 57.12,13.86 58.07,13.86 58.11,13.85 58.16,13.84 58.19,13.82 58.23,13.78 58.25,13.75 58.26,13.7 58.27,13.66 58.26,13.62 58.25,13.57 58.23,13.54 58.19,13.5 58.16,13.48 58.11,13.47 58.07,13.46 57.12,13.46 57.08,13.45 57.03,13.44 57,13.42 56.96,13.38 56.94,13.35 56.93,13.3 56.92,13.26 56.93,13.22 56.94,13.17 56.96,13.14 57,13.1 57.03,13.08 57.08,13.07 57.12,13.06 58.07,13.06 58.11,13.05 58.16,13.04 58.19,13.02 58.23,12.98 58.25,12.95 58.26,12.9 58.27,12.86 58.26,12.82 58.25,12.77 58.23,12.74 58.19,12.7 58.16,12.68 58.11,12.67 58.07,12.66 57.12,12.66 57.08,12.65 57.03,12.64 57,12.62 56.96,12.58 56.94,12.55 56.93,12.5 56.92,12.46 56.93,12.42 56.94,12.37 56.96,12.34 57,12.3 57.03,12.28 57.08,12.27 57.12,12.26 58.07,12.26 58.11,12.25 58.16,12.24 58.19,12.22 58.23,12.18 58.25,12.15 58.26,12.1 58.27,12.06 58.26,12.02 58.25,11.97 58.23,11.94 58.19,11.9 58.16,11.88 58.11,11.87 58.07,11.86 57.67,11.86 57.63,11.85 57.58,11.84 57.55,11.82 57.51,11.78 57.49,11.75 57.48,11.7 57.47,11.66 v1(57.47,11.19)